# Allegro board 038RT-9068CJK8E-A100_0921.brd (continued)
## Routing (per net, layer and track width the routed paths; a pad name or vN(x,y) marks a point on that pad's centre or on a via; arc(x,y) is an arc through that point) (continued)
v1(657.04,230.18) v1(657.04,227.48) v1(657.04,225.68) v1(660.89,279.15) v1(660.89,277.11) v1(660.89,228.35) v1(660.89,226.31) v1(662.16,279.15) v1(662.16,277.11) v1(662.16,228.35) v1(662.16,226.31) v1(665.59,283.48) v1(665.59,276) v1(665.59,232.68) v1(665.59,225.2) v2(4.94,2.54) v2(4.98,400.25) v2(4.98,397.71) v2(7.52,400.25) v2(7.52,397.71) v2(10.02,7.62) v2(10.02,2.54) v2(10.06,400.25) v2(10.06,397.71) v2(13.1,377.9) v2(15.14,390.21) v2(15.14,388.94) v2(15.1,368.3) v2(15.1,7.62) v2(15.1,2.54) v2(16.45,9.1) v2(16.45,8.1) v2(17.32,326.33) v2(17.32,324.83) v2(17.32,91) v2(17.32,89.5) v2(17.72,9.1) v2(17.72,8.1) v2(18.46,347.69) v2(18.46,346.2) v2(18.46,328.64) v2(18.46,327.15) v2(18.46,112.36) v2(18.46,110.87) v2(18.46,93.31) v2(18.46,91.82) v2(18.95,399.07) v2(19.43,417.04) v2(19.43,414.5) v2(19.43,411.96) v2(19.43,409.42) v2(19.43,406.88) v2(19.43,404.34) v2(19.43,401.8) v2(19.54,200.21) v2(19.54,199.21) v2(19.54,167.82) v2(19.54,166.82) v2(19.54,73.84) v2(19.54,72.84) v2(19.54,41.46) v2(19.54,40.46) v2(19.61,354.88) v2(19.61,351.88) v2(19.61,348.88) v2(19.61,332.83) v2(19.61,329.83) v2(19.61,324.83) v2(19.61,119.55) v2(19.61,116.55) v2(19.61,113.55) v2(19.61,97.5) v2(19.61,94.5) v2(19.61,89.5) v2(20.18,368.3) v2(20.18,134.62) v2(20.18,129.54) v2(20.49,362.01) v2(20.49,318.2) v2(20.49,126.68) v2(20.49,82.87) v2(20.81,200.21) v2(20.81,199.21) v2(20.81,171.95) v2(20.81,170.95) v2(20.81,167.82) v2(20.81,166.82) v2(20.81,139.57) v2(20.81,138.56) v2(20.81,73.84) v2(20.81,72.84) v2(20.81,45.59) v2(20.81,44.58) v2(20.81,41.46) v2(20.81,40.46) v2(21.04,396.5) v2(20.97,19.19) v2(20.97,14.11) v2(20.97,11.57) v2(20.97,9.03) v2(20.97,6.49) v2(20.97,3.95) v2(21.76,362.01) v2(21.76,318.2) v2(21.76,126.68) v2(21.76,82.87) v2(21.97,417.04) v2(21.97,414.5) v2(21.97,411.96) v2(21.97,409.42) v2(21.97,406.88) v2(21.97,404.34) v2(21.97,401.8) v2(22.08,200.21) v2(22.08,199.21) v2(22.08,171.95) v2(22.08,170.95) v2(22.08,167.82) v2(22.08,166.82) v2(22.08,139.57) v2(22.08,138.56) v2(22.08,73.84) v2(22.08,72.84) v2(22.08,45.59) v2(22.08,44.58) v2(22.08,41.46) v2(22.08,40.46) v2(22.56,355.38) v2(22.56,352.38) v2(22.56,347.38) v2(22.56,333.33) v2(22.56,328.33) v2(22.56,325.33) v2(22.56,120.05) v2(22.56,117.05) v2(22.56,112.05) v2(22.56,98) v2(22.56,93) v2(22.56,90) v2(22.67,447.54) v2(22.67,446.4) v2(22.67,441.7) v2(22.67,440.56) v2(23.37,444.94) v2(23.37,443.16) v2(23.51,19.19) v2(23.51,16.65) v2(23.51,14.11) v2(23.51,11.57) v2(23.51,9.03) v2(23.51,6.49) v2(23.51,3.95) v2(23.72,394.72) v2(23.72,393.45) v2(23.71,350.06) v2(23.71,348.57) v2(23.71,331.01) v2(23.71,329.52) v2(23.71,114.73) v2(23.71,113.24) v2(23.71,95.68) v2(23.71,94.19) v2(23.87,389.36) v2(24.51,417.04) v2(24.51,414.5) v2(24.51,411.96) v2(24.51,409.42) v2(24.51,406.88) v2(24.51,404.34) v2(24.51,401.8) v2(24.82,434.32) v2(24.82,431.78) v2(25.32,460.04) v2(25.32,457.5) v2(25.26,368.3) v2(25.26,363.22) v2(25.26,312.42) v2(25.26,307.34) v2(25.26,302.26) v2(25.26,297.18) v2(25.26,271.78) v2(25.26,266.7) v2(25.26,261.62) v2(25.26,256.54) v2(25.26,251.46) v2(25.26,246.38) v2(25.26,241.3) v2(25.26,220.98) v2(25.26,215.9) v2(25.26,210.82) v2(25.26,205.74) v2(25.26,200.66) v2(25.26,195.58) v2(25.26,190.5) v2(25.26,185.42) v2(25.26,180.34) v2(25.26,129.54) v2(25.26,83.82) v2(25.26,58.42) v2(25.26,53.34) v2(25.26,48.26) v2(25.26,43.18) v2(25.26,38.1) v2(25.26,33.02) v2(25.26,27.94) v2(25.89,71.44) v2(25.89,70.17) v2(26.05,19.19) v2(26.05,16.65) v2(26.05,14.11) v2(26.05,11.57) v2(26.05,9.03) v2(26.05,6.49) v2(26.05,3.95) v2(27.16,62.36) v2(27.32,352.38) v2(27.32,347.88) v2(27.32,333.33) v2(27.32,328.83) v2(27.32,117.05) v2(27.32,112.55) v2(27.32,98) v2(27.32,93.5) v2(27.36,434.32) v2(27.36,431.78) v2(27.86,460.04) v2(27.86,457.5) v2(29.9,434.32) v2(29.9,431.78) v2(30.34,368.3) v2(30.34,363.22) v2(30.27,325.83) v2(30.34,312.42) v2(30.34,307.34) v2(30.34,302.26) v2(30.34,297.18) v2(30.34,271.78) v2(30.34,266.7) v2(30.34,261.62) v2(30.34,256.54) v2(30.34,251.46) v2(30.34,246.38) v2(30.34,241.3) v2(30.34,220.98) v2(30.34,215.9) v2(30.34,210.82) v2(30.34,205.74) v2(30.34,200.66) v2(30.34,195.58) v2(30.34,190.5) v2(30.34,185.42) v2(30.34,180.34) v2(30.34,154.94) v2(30.34,129.54) v2(30.34,124.46) v2(30.27,90.5) v2(30.34,83.82) v2(30.34,68.58) v2(30.34,63.5) v2(30.34,58.42) v2(30.34,53.34) v2(30.34,27.94) v2(30.4,460.04) v2(30.4,457.5) v2(30.38,396.95) v2(30.38,394.41) v2(30.53,385.99) v2(31.61,142.24) v2(31.61,140.97) v2(32.44,434.32) v2(32.44,431.78) v2(32.56,349.38) v2(32.56,347.88) v2(32.56,330.33) v2(32.56,328.83) v2(32.56,114.05) v2(32.56,112.55) v2(32.56,95) v2(32.56,93.5) v2(32.94,460.04) v2(32.94,457.5) v2(32.92,396.95) v2(32.92,394.41) v2(33.04,173.03) v2(33.04,170.03) v2(33.04,165.53) v2(33.04,46.66) v2(33.04,43.66) v2(33.04,39.16) v2(33.07,478.48) v2(33.07,475.94) v2(33.07,473.4) v2(33.07,470.86) v2(33.07,468.32) v2(34.15,143.64) v2(34.98,434.32) v2(34.98,431.78) v2(35.28,462.11) v2(35.42,368.3) v2(35.42,363.22) v2(35.42,312.42) v2(35.42,307.34) v2(35.42,302.26) v2(35.42,297.18) v2(35.42,271.78) v2(35.42,266.7) v2(35.42,261.62) v2(35.42,256.54) v2(35.42,251.46) v2(35.42,246.38) v2(35.42,220.98) v2(35.42,215.9) v2(35.42,210.82) v2(35.42,205.74) v2(35.42,200.66) v2(35.42,195.58) v2(35.42,190.5) v2(35.42,185.42) v2(35.42,180.34) v2(35.42,154.94) v2(35.42,139.7) v2(35.42,134.62) v2(35.42,129.54) v2(35.42,124.46) v2(35.42,119.38) v2(35.42,114.3) v2(35.42,109.22) v2(35.42,104.14) v2(35.42,99.06) v2(35.42,93.98) v2(35.42,88.9) v2(35.42,83.82) v2(35.42,78.74) v2(35.42,73.66) v2(35.42,68.58) v2(35.42,63.5) v2(35.42,58.42) v2(35.42,53.34) v2(35.42,27.94) v2(35.48,460.04) v2(35.48,457.5) v2(35.46,396.95) v2(35.46,394.41) v2(35.61,478.48) v2(35.61,475.94) v2(35.61,473.4) v2(35.61,470.86) v2(35.61,468.32) v2(37.37,420.78) v2(37.79,173.53) v2(37.79,170.53) v2(37.79,47.16) v2(37.79,44.16) v2(38.39,477.14) v2(38.39,474.6) v2(38.39,450.02) v2(38.39,447.48) v2(38.51,420.78) v2(40.5,368.3) v2(40.5,363.22) v2(40.5,312.42) v2(40.5,307.34) v2(40.5,302.26) v2(40.5,297.18) v2(40.5,271.78) v2(40.5,266.7) v2(40.5,261.62) v2(40.5,256.54) v2(40.5,251.46) v2(40.5,246.38) v2(40.5,220.98) v2(40.5,215.9) v2(40.5,210.82) v2(40.5,205.74) v2(40.5,200.66) v2(40.5,195.58) v2(40.5,190.5) v2(40.5,185.42) v2(40.5,180.34) v2(40.5,154.94) v2(40.5,149.86) v2(40.5,144.78) v2(40.5,139.7) v2(40.5,134.62) v2(40.5,119.38) v2(40.5,114.3) v2(40.5,109.22) v2(40.5,104.14) v2(40.5,99.06) v2(40.5,93.98) v2(40.5,88.9) v2(40.5,83.82) v2(40.5,78.74) v2(40.5,73.66) v2(40.5,68.58) v2(40.5,63.5) v2(40.5,58.42) v2(40.5,53.34) v2(40.5,27.94) v2(40.68,171.08) v2(40.68,44.71) v2(40.75,165.53) v2(40.75,39.16) v2(40.93,477.14) v2(40.93,474.6) v2(40.93,450.02) v2(40.93,447.48) v2(40.85,422.29) v2(42.68,422.29) v2(43.47,477.14) v2(43.47,474.6) v2(43.47,450.02) v2(43.47,447.48) v2(44.92,420.8) v2(45.32,444.63) v2(45.32,442.09) v2(45.32,439.55) v2(45.32,437.01) v2(45.32,434.47) v2(45.58,368.3) v2(45.58,363.22) v2(45.58,302.26) v2(45.58,297.18) v2(45.58,271.78) v2(45.58,266.7) v2(45.58,261.62) v2(45.58,256.54) v2(45.58,251.46) v2(45.58,246.38) v2(45.58,220.98) v2(45.58,215.9) v2(45.58,210.82) v2(45.58,205.74) v2(45.58,200.66) v2(45.58,195.58) v2(45.58,190.5) v2(45.58,185.42) v2(45.58,180.34) v2(45.58,175.26) v2(45.58,104.14) v2(45.58,99.06) v2(45.58,93.98) v2(45.58,88.9) v2(45.58,83.82) v2(45.58,78.74) v2(45.58,73.66) v2(45.58,68.58) v2(45.58,63.5) v2(45.58,58.42) v2(45.58,53.34) v2(45.58,48.26) v2(45.58,43.18) v2(45.58,38.1) v2(45.58,33.02) v2(45.58,27.94) v2(45.58,22.86) v2(46.01,477.14) v2(46.01,474.6) v2(46.01,450.02) v2(46.01,447.48) v2(46.07,420.8) v2(46.8,463.68) v2(46.85,306.07) v2(47.37,275.96) v2(47.37,274.56) v2(47.37,271.32) v2(47.37,269.92) v2(47.37,215.96) v2(47.37,214.56) v2(47.37,211.32) v2(47.37,209.92) v2(47.95,463.68) v2(47.86,444.63) v2(47.86,442.09) v2(47.86,439.55) v2(47.86,437.01) v2(47.86,434.47) v2(48.55,477.14) v2(48.55,474.6) v2(48.55,450.02) v2(48.55,447.48) v2(49.28,462.97) v2(49.39,306.07) v2(49.55,352.42) v2(49.55,332.88) v2(49.51,129.86) v2(49.51,110.32) v2(50.4,444.63) v2(50.4,442.09) v2(50.4,439.55) v2(50.4,437.01) v2(50.4,434.47) v2(50.66,464.82) v2(50.66,459.74) v2(50.66,454.66) v2(50.66,449.58) v2(50.66,302.26) v2(50.66,297.18) v2(50.66,266.7) v2(50.66,261.62) v2(50.66,256.54) v2(50.66,220.98) v2(50.66,205.74) v2(50.66,200.66) v2(50.66,83.82) v2(50.66,78.74) v2(50.66,73.66) v2(50.66,68.58) v2(50.66,63.5) v2(50.66,58.42) v2(50.66,53.34) v2(50.66,48.26) v2(50.66,43.18) v2(50.66,38.1) v2(50.66,33.02) v2(50.66,27.94) v2(50.66,22.86) v2(50.89,404.14) v2(50.89,402.87) v2(53.2,306.07) v2(55.74,464.82) v2(55.74,459.74) v2(55.74,454.66) v2(55.74,449.58) v2(55.74,444.5) v2(55.74,439.42) v2(55.74,434.34) v2(55.74,419.1) v2(55.74,306.07) v2(55.74,302.26) v2(55.74,297.18) v2(55.74,83.82) v2(55.74,78.74) v2(55.74,73.66) v2(55.74,68.58) v2(55.74,63.5) v2(55.74,58.42) v2(55.74,53.34) v2(55.74,48.26) v2(55.74,43.18) v2(55.74,38.1) v2(55.74,33.02) v2(55.74,27.94) v2(55.74,22.86) v2(56.5,432.96) v2(56.5,430.42) v2(56.5,427.88) v2(56.5,425.34) v2(56.5,422.8) v2(59.04,432.96) v2(59.04,430.42) v2(59.04,427.88) v2(59.04,425.34) v2(59.04,422.8) v2(59.55,306.07) v2(60.82,464.82) v2(60.82,459.74) v2(60.82,454.66) v2(60.82,449.58) v2(60.82,444.5) v2(60.82,439.42) v2(60.82,434.34) v2(60.82,429.26) v2(60.82,424.18) v2(60.82,419.1) v2(60.82,414.02) v2(60.82,408.94) v2(60.82,403.86) v2(60.82,398.78) v2(60.82,393.7) v2(60.82,302.26) v2(60.82,297.18) v2(60.82,83.82) v2(60.82,78.74) v2(60.82,73.66) v2(60.82,68.58) v2(60.82,63.5) v2(60.82,58.42) v2(60.82,53.34) v2(60.82,48.26) v2(60.82,43.18) v2(60.82,38.1) v2(60.82,33.02) v2(60.82,27.94) v2(60.82,22.86) v2(62.09,306.07) v2(62.09,262.56) v2(62.09,202.56) v2(63.36,262.56) v2(63.36,202.56) v2(64.63,262.56) v2(64.63,202.56) v2(65.9,464.82) v2(65.9,459.74) v2(65.9,454.66) v2(65.9,449.58) v2(65.9,444.5) v2(65.9,439.42) v2(65.9,434.34) v2(65.9,429.26) v2(65.9,424.18) v2(65.9,419.1) v2(65.9,414.02) v2(65.9,408.94) v2(65.9,403.86) v2(65.9,398.78) v2(65.9,393.7) v2(65.9,306.07) v2(65.9,302.26) v2(65.9,297.18) v2(65.9,180.34) v2(65.9,175.26) v2(65.9,170.18) v2(65.9,166.37) v2(65.9,162.56) v2(65.9,160.02) v2(65.9,104.14) v2(65.9,99.06) v2(65.9,93.98) v2(65.9,88.9) v2(65.9,83.82) v2(65.9,78.74) v2(65.9,73.66) v2(65.9,68.58) v2(65.9,63.5) v2(65.9,58.42) v2(65.9,53.34) v2(65.9,48.26) v2(65.9,43.18) v2(65.9,38.1) v2(65.9,33.02) v2(65.9,27.94) v2(65.9,22.86) v2(66.53,156.21) v2(66.53,154.94) v2(66.53,151.13) v2(66.53,149.86) v2(67.17,262.56) v2(67.17,202.56) v2(67.17,162.56) v2(67.17,160.02) v2(67.8,156.21) v2(67.8,154.94) v2(67.8,151.13) v2(67.8,149.86) v2(68.44,306.07) v2(68.44,166.37) v2(68.44,162.56) v2(68.44,160.02) v2(70.98,464.82) v2(70.98,459.74) v2(70.98,454.66) v2(70.98,449.58) v2(70.98,444.5) v2(70.98,439.42) v2(70.98,434.34) v2(70.98,429.26) v2(70.98,424.18) v2(70.98,419.1) v2(70.98,414.02) v2(70.98,408.94) v2(70.98,403.86) v2(70.98,388.62) v2(70.98,383.54) v2(70.98,378.46) v2(70.98,373.38) v2(70.98,368.3) v2(70.98,363.22) v2(70.98,302.26) v2(70.98,175.26) v2(70.98,170.18) v2(70.98,104.14) v2(70.98,99.06) v2(70.98,93.98) v2(70.98,88.9) v2(70.98,83.82) v2(70.98,78.74) v2(70.98,73.66) v2(70.98,68.58) v2(70.98,63.5) v2(70.98,58.42) v2(70.98,53.34) v2(70.98,48.26) v2(70.98,43.18) v2(70.98,38.1) v2(70.98,33.02) v2(70.98,27.94) v2(70.98,22.86) v2(71.61,296.28) v2(71.61,239.45) v2(71.61,236.28) v2(71.61,179.45) v2(71.87,294.45) v2(72.25,333.38) v2(72.25,312.42) v2(72.25,166.37) v2(72.25,160.02) v2(72.25,142.88) v2(72.25,137.16) v2(72.88,343.53) v2(72.88,342.26) v2(72.88,322.58) v2(72.88,321.31) v2(72.88,151.13) v2(72.88,149.86) v2(72.88,128.27) v2(72.88,127) v2(73.52,333.38) v2(73.52,312.42) v2(73.52,160.02) v2(73.52,137.16) v2(74.15,343.53) v2(74.15,342.26) v2(74.15,322.58) v2(74.15,321.31) v2(74.15,296.28) v2(74.15,151.13) v2(74.15,149.86) v2(74.15,128.27) v2(74.15,127) v2(74.79,333.38) v2(74.79,312.42) v2(74.79,306.07) v2(74.79,160.02) v2(74.79,137.16) v2(75.42,327.02) v2(76.06,464.82) v2(76.06,459.74) v2(76.06,454.66) v2(76.06,449.58) v2(76.06,444.5) v2(76.06,439.42) v2(76.06,434.34) v2(76.06,429.26) v2(76.06,424.18) v2(76.06,419.1) v2(76.06,414.02) v2(76.06,408.94) v2(76.06,403.86) v2(76.06,398.78) v2(76.06,393.7) v2(76.06,388.62) v2(76.06,383.54) v2(76.06,378.46) v2(76.06,373.38) v2(76.06,368.3) v2(76.06,363.22) v2(76.06,302.26) v2(76.06,175.26) v2(76.06,170.18) v2(76.06,104.14) v2(76.06,99.06) v2(76.06,93.98) v2(76.06,88.9) v2(76.06,83.82) v2(76.06,78.74) v2(76.06,73.66) v2(76.06,68.58) v2(76.06,63.5) v2(76.06,58.42) v2(76.06,53.34) v2(76.06,48.26) v2(76.06,43.18) v2(76.06,38.1) v2(76.06,33.02) v2(76.06,27.94) v2(76.06,22.86) v2(78.6,333.38) v2(78.6,312.42) v2(78.6,166.37) v2(78.6,160.02) v2(78.6,142.88) v2(78.6,137.16) v2(79.23,343.53) v2(79.23,342.26) v2(79.23,322.58) v2(79.23,321.31) v2(79.23,151.13) v2(79.23,149.86) v2(79.23,128.27) v2(79.23,127) v2(79.87,333.38) v2(79.87,312.42) v2(79.87,160.02) v2(79.87,137.16) v2(80.5,343.53) v2(80.5,342.26) v2(80.5,322.58) v2(80.5,321.31) v2(80.5,151.13) v2(80.5,149.86) v2(80.5,128.27) v2(80.5,127) v2(81.14,464.82) v2(81.14,459.74) v2(81.14,454.66) v2(81.14,449.58) v2(81.14,444.5) v2(81.14,439.42) v2(81.14,434.34) v2(81.14,429.26) v2(81.14,424.18) v2(81.14,419.1) v2(81.14,414.02) v2(81.14,408.94) v2(81.14,403.86) v2(81.14,398.78) v2(81.14,393.7) v2(81.14,388.62) v2(81.14,383.54) v2(81.14,378.46) v2(81.14,373.38) v2(81.14,368.3) v2(81.14,363.22) v2(81.14,333.38) v2(81.14,327.02) v2(81.14,312.42) v2(81.14,306.07) v2(81.14,302.26) v2(81.14,175.26) v2(81.14,170.18) v2(81.14,160.02) v2(81.14,137.16) v2(81.14,104.14) v2(81.14,99.06) v2(81.14,93.98) v2(81.14,88.9) v2(81.14,83.82) v2(81.14,78.74) v2(81.14,73.66) v2(81.14,68.58) v2(81.14,63.5) v2(81.14,58.42) v2(81.14,53.34) v2(81.14,48.26) v2(81.14,43.18) v2(81.14,38.1) v2(81.14,33.02) v2(81.14,27.94) v2(81.14,22.86) v2(84.95,333.38) v2(84.95,312.42) v2(84.95,306.07) v2(84.95,160.02) v2(84.95,142.88) v2(84.95,137.16) v2(85.58,343.53) v2(85.58,342.26) v2(85.58,322.58) v2(85.58,321.31) v2(85.58,151.13) v2(85.58,149.86) v2(85.58,128.27) v2(85.58,127) v2(86.22,464.82) v2(86.22,459.74) v2(86.22,454.66) v2(86.22,449.58) v2(86.22,444.5) v2(86.22,439.42) v2(86.22,434.34) v2(86.22,429.26) v2(86.22,424.18) v2(86.22,419.1) v2(86.22,403.86) v2(86.22,398.78) v2(86.22,393.7) v2(86.22,388.62) v2(86.22,383.54) v2(86.22,378.46) v2(86.22,373.38) v2(86.22,368.3) v2(86.22,363.22) v2(86.22,333.38) v2(86.22,312.42) v2(86.22,302.26) v2(86.22,175.26) v2(86.22,170.18) v2(86.22,160.02) v2(86.22,137.16) v2(86.22,104.14) v2(86.22,99.06) v2(86.22,93.98) v2(86.22,88.9) v2(86.22,83.82) v2(86.22,78.74) v2(86.22,73.66) v2(86.22,68.58) v2(86.22,63.5) v2(86.22,58.42) v2(86.22,53.34) v2(86.22,48.26) v2(86.42,238.11) v2(86.42,178.11) v2(86.85,343.53) v2(86.85,342.26) v2(86.85,322.58) v2(86.85,321.31) v2(86.85,151.13) v2(86.85,149.86) v2(86.85,128.27) v2(86.85,127) v2(87.49,333.38) v2(87.49,327.02) v2(87.49,312.42) v2(87.49,166.37) v2(87.49,160.02) v2(87.49,137.16) v2(89.17,44.7) v2(91.3,464.82) v2(91.3,459.74) v2(91.3,454.66) v2(91.3,449.58) v2(91.3,444.5) v2(91.3,439.42) v2(91.3,434.34) v2(91.3,429.26) v2(91.3,424.18) v2(91.3,419.1) v2(91.3,414.02) v2(91.3,408.94) v2(91.3,403.86) v2(91.3,398.78) v2(91.3,393.7) v2(91.3,388.62) v2(91.3,383.54) v2(91.3,378.46) v2(91.3,373.38) v2(91.3,368.3) v2(91.3,363.22) v2(91.3,333.38) v2(91.3,312.42) v2(91.3,306.07) v2(91.3,302.26) v2(91.3,175.26) v2(91.3,170.18) v2(91.3,160.02) v2(91.3,142.88) v2(91.3,137.16) v2(91.3,104.14) v2(91.3,99.06) v2(91.3,93.98) v2(91.3,88.9) v2(91.3,83.82) v2(91.3,78.74) v2(91.3,73.66) v2(91.3,68.58) v2(91.3,63.5) v2(91.3,58.42) v2(91.3,53.34) v2(91.3,48.26) v2(91.93,343.53) v2(91.93,342.26) v2(91.93,322.58) v2(91.93,321.31) v2(91.93,151.13) v2(91.93,149.86) v2(91.93,128.27) v2(91.93,127) v2(92.57,333.38) v2(92.57,312.42) v2(92.57,160.02) v2(92.57,137.16) v2(93.2,343.53) v2(93.2,342.26) v2(93.2,322.58) v2(93.2,321.31) v2(93.2,151.13) v2(93.2,149.86) v2(93.2,128.27) v2(93.2,127) v2(93.84,333.38) v2(93.84,327.02) v2(93.84,312.42) v2(93.84,166.37) v2(93.84,160.02) v2(93.84,137.16) v2(94.47,239.52) v2(96.38,464.82) v2(96.38,459.74) v2(96.38,454.66) v2(96.38,449.58) v2(96.38,444.5) v2(96.38,439.42) v2(96.38,434.34) v2(96.38,429.26) v2(96.38,424.18) v2(96.38,419.1) v2(96.38,414.02) v2(96.38,408.94) v2(96.38,403.86) v2(96.38,398.78) v2(96.38,393.7) v2(96.38,388.62) v2(96.38,383.54) v2(96.38,378.46) v2(96.38,373.38) v2(96.38,368.3) v2(96.38,363.22) v2(96.38,302.26) v2(96.38,175.26) v2(96.38,170.18) v2(96.38,104.14) v2(96.38,99.06) v2(96.38,93.98) v2(96.38,88.9) v2(96.38,83.82) v2(96.38,78.74) v2(96.38,73.66) v2(96.38,68.58) v2(96.38,63.5) v2(96.38,58.42) v2(96.38,53.34) v2(96.38,48.26) v2(97.01,239.52) v2(97.01,237.11) v2(97.65,312.42) v2(97.65,160.02) v2(98.28,322.58) v2(98.28,321.31) v2(98.28,240.52) v2(98.28,151.13) v2(98.28,149.86) v2(98.92,312.42) v2(98.92,160.02) v2(99.33,44.7) v2(99.55,322.58) v2(99.55,321.31) v2(99.55,240.52) v2(99.55,151.13) v2(99.55,149.86) v2(100.19,312.42) v2(100.19,160.02) v2(100.82,240.52) v2(101.46,414.02) v2(101.46,408.94) v2(101.46,403.86) v2(101.46,398.78) v2(101.46,393.7) v2(101.46,388.62) v2(101.46,383.54) v2(101.46,378.46) v2(101.46,373.38) v2(101.46,368.3) v2(101.46,363.22) v2(101.46,302.26) v2(101.46,175.26) v2(101.46,170.18) v2(101.46,104.14) v2(101.46,99.06) v2(101.46,93.98) v2(101.46,88.9) v2(101.46,83.82) v2(101.46,78.74) v2(101.46,73.66) v2(101.46,68.58) v2(101.46,63.5) v2(101.46,58.42) v2(101.46,53.34) v2(101.46,48.26) v2(101.46,43.18) v2(102.09,240.52) v2(103.09,295.26) v2(103.09,235.26) v2(103.36,240.52) v2(104,312.42) v2(104,306.07) v2(104,160.02) v2(104.63,322.58) v2(104.63,321.31) v2(104.63,240.52) v2(104.63,151.13) v2(104.63,149.86) v2(105.27,312.42) v2(105.27,160.02) v2(105.9,322.58) v2(105.9,321.31) v2(105.9,151.13) v2(105.9,149.86) v2(106.08,429.12) v2(106.54,414.02) v2(106.54,408.94) v2(106.54,403.86) v2(106.54,398.78) v2(106.54,393.7) v2(106.54,388.62) v2(106.54,383.54) v2(106.54,378.46) v2(106.54,373.38) v2(106.54,368.3) v2(106.54,363.22) v2(106.54,312.42) v2(106.54,302.26) v2(106.54,175.26) v2(106.54,170.18) v2(106.54,166.37) v2(106.54,160.02) v2(106.54,144.78) v2(106.54,124.46) v2(107.98,442.02) v2(108.44,240.52) v2(109.71,240.52) v2(109.71,178.11) v2(110.35,312.42) v2(110.35,160.02) v2(110.98,322.58) v2(110.98,321.31) v2(110.98,151.13) v2(110.98,149.86) v2(111.62,414.02) v2(111.62,408.94) v2(111.62,403.86) v2(111.62,398.78) v2(111.62,393.7) v2(111.62,388.62) v2(111.62,383.54) v2(111.62,378.46) v2(111.62,373.38) v2(111.62,368.3) v2(111.62,363.22) v2(111.62,312.42) v2(111.62,302.26) v2(111.62,175.26) v2(111.62,170.18) v2(111.62,160.02) v2(111.62,144.78) v2(111.62,124.46) v2(112.25,322.58) v2(112.25,321.31) v2(112.25,151.13) v2(112.25,149.86) v2(112.89,312.42) v2(112.89,160.02) v2(113.3,40.68) v2(113.52,240.52) v2(113.52,237.11) v2(114.79,240.52) v2(116.06,240.52) v2(116.24,429.12) v2(116.24,37.11) v2(116.24,32.03) v2(116.7,414.02) v2(116.7,408.94) v2(116.7,403.86) v2(116.7,398.78) v2(116.7,393.7) v2(116.7,388.62) v2(116.7,383.54) v2(116.7,378.46) v2(116.7,373.38) v2(116.7,368.3) v2(116.7,363.22) v2(116.7,312.42) v2(116.7,302.26) v2(116.7,175.26) v2(116.7,170.18) v2(116.7,160.02) v2(116.7,144.78) v2(116.7,124.46) v2(116.9,243.72) v2(116.9,183.72) v2(117.33,322.58) v2(117.33,321.31) v2(117.33,240.52) v2(117.33,151.13) v2(117.33,149.86) v2(117.97,312.42) v2(117.97,160.02) v2(118.6,322.58) v2(118.6,321.31) v2(118.6,240.52) v2(118.6,151.13) v2(118.6,149.86) v2(119.24,312.42) v2(119.24,160.02) v2(119.32,436.63) v2(119.32,435.36) v2(119.32,434.09) v2(119.32,427.1) v2(119.32,425.83) v2(119.32,424.56) v2(119.87,240.52) v2(119.91,33.62) v2(121.14,279.07) v2(121.14,240.52) v2(121.14,219.07) v2(121.78,302.26) v2(121.78,175.26) v2(121.78,170.18) v2(121.78,144.78) v2(121.78,124.46) v2(122.13,32.99) v2(122.52,45.61) v2(122.52,43.58) v2(122.52,41.55) v2(123.13,430.28) v2(123.05,322.58) v2(123.05,312.42) v2(123.05,306.07) v2(123.05,295.26) v2(123.05,269.55) v2(123.05,266.37) v2(123.05,235.26) v2(123.05,209.55) v2(123.05,206.38) v2(123.05,160.02) v2(123.05,156.21) v2(123.05,149.86) v2(123.79,45.61) v2(123.79,43.58) v2(123.79,41.55) v2(124.32,322.58) v2(124.32,312.42) v2(124.32,160.02) v2(124.32,149.86) v2(124.95,237.11) v2(125.06,45.61) v2(125.06,43.58) v2(125.06,41.55) v2(125.59,322.58) v2(125.59,316.23) v2(125.59,312.42) v2(125.59,295.26) v2(125.59,166.37) v2(125.59,160.02) v2(125.59,149.86) v2(126.86,302.26) v2(126.86,175.26) v2(126.86,170.18) v2(126.86,144.78) v2(126.86,124.46) v2(127.21,38.06) v2(129.45,440.72) v2(129.4,322.58) v2(129.4,312.42) v2(129.4,160.02) v2(129.4,149.86) v2(129.75,38.06) v2(130.03,239.52) v2(130.67,322.58) v2(130.67,312.42) v2(130.67,160.02) v2(130.67,149.86) v2(130.89,186.77) v2(131.3,239.52) v2(131.48,440.72) v2(131.94,322.58) v2(131.94,312.42) v2(131.94,302.26) v2(131.94,175.26) v2(131.94,170.18) v2(131.94,160.02) v2(131.94,149.86) v2(131.94,144.78) v2(131.94,124.46) v2(133.43,186.77) v2(133.43,184.37) v2(133.51,440.72) v2(134.7,187.77) v2(135.97,187.77) v2(136.26,43.55) v2(136.96,442.75) v2(137.02,256.54) v2(137.02,251.46) v2(137.02,246.38) v2(137.02,195.58) v2(137.02,190.5) v2(137.02,180.34) v2(137.02,175.26) v2(137.02,170.18) v2(137.02,165.1) v2(137.02,160.02) v2(137.02,154.94) v2(137.02,149.86) v2(137.02,144.78) v2(137.02,124.46) v2(137.24,187.77) v2(137.16,45.77) v2(137.18,35.25) v2(137.86,444.97) v2(138.51,187.77) v2(139.21,35.25) v2(139.78,187.77) v2(141.05,187.77) v2(141.24,35.25) v2(142.1,256.54) v2(142.1,251.46) v2(142.1,246.38) v2(142.1,195.58) v2(142.1,190.5) v2(142.1,180.34) v2(142.1,175.26) v2(142.1,170.18) v2(142.1,165.1) v2(142.1,160.02) v2(142.1,154.94) v2(142.1,149.86) v2(142.1,144.78) v2(142.1,139.7) v2(142.1,134.62) v2(142.1,129.54) v2(142.1,124.46) v2(144.36,450.46) v2(144.86,187.77) v2(146.13,187.77) v2(146.9,450.46) v2(147.18,276.86) v2(147.18,271.78) v2(147.18,266.7) v2(147.18,261.62) v2(147.18,256.54) v2(147.18,251.46) v2(147.18,246.38) v2(147.18,226.06) v2(147.18,220.98) v2(147.18,215.9) v2(147.18,210.82) v2(147.18,205.74) v2(147.18,200.66) v2(147.18,195.58) v2(147.18,190.5) v2(147.18,180.34) v2(147.18,175.26) v2(147.18,170.18) v2(147.18,165.1) v2(147.18,160.02) v2(147.18,154.94) v2(147.18,149.86) v2(147.18,144.78) v2(147.18,139.7) v2(147.18,134.62) v2(147.18,129.54) v2(147.18,124.46) v2(149.06,446.98) v2(149.06,444.95) v2(149.06,442.91) v2(149.94,187.77) v2(149.94,184.37) v2(150.33,446.98) v2(150.33,444.95) v2(150.33,442.91) v2(151.21,187.77) v2(151.6,446.98) v2(151.6,444.95) v2(151.6,442.91) v2(151.98,455.54) v2(152.26,266.7) v2(152.26,261.62) v2(152.26,256.54) v2(152.26,251.46) v2(152.26,246.38) v2(152.26,215.9) v2(152.26,210.82) v2(152.26,205.74) v2(152.26,200.66) v2(152.26,195.58) v2(152.26,190.5) v2(152.26,180.34) v2(152.26,175.26) v2(152.26,170.18) v2(152.26,165.1) v2(152.26,160.02) v2(152.26,154.94) v2(152.26,149.86) v2(152.26,144.78) v2(152.26,139.7) v2(152.26,134.62) v2(152.26,129.54) v2(152.26,124.46) v2(152.48,187.77) v2(153.75,187.77) v2(154.2,454.9) v2(155.02,187.77) v2(156.29,187.77) v2(157.34,266.7) v2(157.34,261.62) v2(157.34,256.54) v2(157.34,251.46) v2(157.34,246.38) v2(157.34,215.9) v2(157.34,210.82) v2(157.34,205.74) v2(157.34,200.66) v2(157.34,195.58) v2(157.34,190.5) v2(157.34,180.34) v2(157.34,175.26) v2(157.34,170.18) v2(157.34,139.7) v2(157.34,134.62) v2(157.34,129.54) v2(157.34,124.46) v2(157.56,187.77) v2(157.88,456.49) v2(157.88,451.41) v2(158.18,29.76) v2(161.37,187.77) v2(161.99,35.47) v2(161.99,34.2) v2(161.99,32.93) v2(161.99,25.95) v2(161.99,24.68) v2(161.99,23.41) v2(162.42,266.7) v2(162.42,261.62) v2(162.42,256.54) v2(162.42,251.46) v2(162.42,246.38) v2(162.42,215.9) v2(162.42,210.82) v2(162.42,205.74) v2(162.42,200.66) v2(162.42,195.58) v2(162.42,190.5) v2(162.42,180.34) v2(162.42,175.26) v2(162.42,170.18) v2(162.42,139.7) v2(162.42,134.62) v2(162.42,129.54) v2(162.42,124.46) v2(164.24,447.98) v2(164.24,439.09) v2(164.24,437.82) v2(164.24,429.56) v2(164.24,420.67) v2(164.24,419.4) v2(165.51,447.98) v2(165.51,439.09) v2(165.51,437.82) v2(165.51,429.56) v2(165.51,420.67) v2(165.51,419.4) v2(165.51,59.06) v2(165.51,57.78) v2(165.51,48.9) v2(165.51,43.18) v2(165.51,40) v2(165.51,38.73) v2(165.51,29.84) v2(165.51,24.13) v2(166.45,186.77) v2(166.78,447.98) v2(166.78,439.09) v2(166.78,437.82) v2(166.78,435.28) v2(166.78,429.56) v2(166.78,420.67) v2(166.78,419.4) v2(166.78,59.06) v2(166.78,57.78) v2(166.78,48.9) v2(166.78,40) v2(166.78,38.73) v2(166.78,29.84) v2(167.5,256.54) v2(167.5,251.46) v2(167.5,246.38) v2(167.5,241.3) v2(167.5,236.22) v2(167.5,210.82) v2(167.5,205.74) v2(167.5,200.66) v2(167.5,195.58) v2(167.5,190.5) v2(167.5,180.34) v2(167.5,175.26) v2(167.5,170.18) v2(167.5,139.7) v2(167.5,134.62) v2(167.5,129.54) v2(167.5,124.46) v2(167.72,186.77) v2(168.05,59.06) v2(168.05,57.78) v2(168.05,48.9) v2(168.05,40) v2(168.05,38.73) v2(168.05,29.84) v2(169.95,447.98) v2(169.95,439.09) v2(169.95,437.82) v2(169.95,429.56) v2(169.95,420.67) v2(169.95,419.4) v2(170.59,59.06) v2(170.59,57.78) v2(170.59,48.9) v2(170.59,43.18) v2(170.59,40) v2(170.59,38.73) v2(170.59,29.84) v2(170.59,24.13) v2(171.22,447.98) v2(171.22,439.09) v2(171.22,437.82) v2(171.22,429.56) v2(171.22,420.67) v2(171.22,419.4) v2(171.86,59.06) v2(171.86,57.78) v2(171.86,48.9) v2(171.86,40) v2(171.86,38.73) v2(171.86,29.84) v2(172.49,447.98) v2(172.49,439.09) v2(172.49,437.82) v2(172.49,435.28) v2(172.49,429.56) v2(172.49,420.67) v2(172.49,419.4) v2(172.58,256.54) v2(172.58,236.22) v2(172.58,210.82) v2(172.58,205.74) v2(172.58,200.66) v2(172.58,195.58) v2(172.58,190.5) v2(172.58,185.42) v2(172.58,180.34) v2(172.58,175.26) v2(172.58,170.18) v2(172.58,139.7) v2(172.58,134.62) v2(172.58,129.54) v2(172.58,124.46) v2(173.13,59.06) v2(173.13,57.78) v2(173.13,48.9) v2(173.13,40) v2(173.13,38.73) v2(173.13,29.84) v2(175.67,447.98) v2(175.67,439.09) v2(175.67,437.82) v2(175.67,30.78) v2(175.67,29.51) v2(175.67,28.24) v2(175.67,26.34) v2(175.67,25.07) v2(175.67,23.8) v2(175.77,435.28) v2(175.77,429.56) v2(175.77,419.66) v2(175.92,40.18) v2(175.92,38.91) v2(175.92,37.64) v2(175.92,35.61) v2(175.92,34.34) v2(175.92,33.07) v2(176.94,447.98) v2(176.94,439.09) v2(176.94,437.82) v2(176.94,30.78) v2(176.94,29.51) v2(176.94,28.24) v2(176.94,26.34) v2(176.94,25.07) v2(176.94,23.8) v2(177.04,429.56) v2(177.04,419.66) v2(177.66,256.54) v2(177.66,236.22) v2(177.66,210.82) v2(178.21,447.98) v2(178.21,439.09) v2(178.21,437.82) v2(178.31,429.56) v2(178.31,419.66) v2(180.47,241.74) v2(182.74,256.54) v2(182.74,236.22) v2(182.74,210.82) v2(183.29,447.98) v2(183.29,439.09) v2(183.29,437.82) v2(183.34,37.01) v2(183.34,34.49) v2(183.39,435.28) v2(184.56,447.98) v2(184.56,439.09) v2(184.56,437.82) v2(185.83,447.98) v2(185.83,439.09) v2(185.83,437.82) v2(187.82,256.54) v2(187.82,236.22) v2(187.82,210.82) v2(189.08,47.76) v2(189.48,241.74) v2(189.64,447.98) v2(189.64,439.09) v2(189.64,437.82) v2(189.74,435.28) v2(190.91,447.98) v2(190.91,439.09) v2(190.91,437.82) v2(191.09,241.74) v2(192.18,447.98) v2(192.18,439.09) v2(192.18,437.82) v2(192.63,20.09) v2(192.9,256.54) v2(192.9,236.22) v2(192.9,210.82) v2(195.99,447.98) v2(195.99,439.09) v2(195.99,437.82) v2(196.09,435.28) v2(197.26,447.98) v2(197.26,439.09) v2(197.26,437.82) v2(197.98,256.54) v2(197.98,236.22) v2(197.98,210.82) v2(198.53,447.98) v2(198.53,439.09) v2(198.53,437.82) v2(200.09,241.74) v2(200.69,424.97) v2(200.69,417.83) v2(201.4,45.34) v2(201.65,241.74) v2(202.16,45.34) v2(203.06,256.54) v2(203.06,236.22) v2(203.06,210.82) v2(203.58,40.5) v2(203.58,39.74) v2(203.58,36.89) v2(208.14,256.54) v2(208.14,236.22) v2(208.14,210.82) v2(209.22,431.58) v2(209.77,57.78) v2(210.29,45.34) v2(210.69,431.58) v2(210.66,241.74) v2(212.16,436.97) v2(212.16,431.58) v2(212.2,76.84) v2(213.08,29.72) v2(213.08,27.5) v2(213.22,251.46) v2(213.22,246.38) v2(213.22,241.3) v2(213.22,236.22) v2(213.22,210.82) v2(213.22,205.74) v2(213.22,200.66) v2(213.22,195.58) v2(214.45,441.63) v2(214.45,439.6) v2(214.67,36.19) v2(214.67,34.93) v2(215.12,31.93) v2(215.12,31.17) v2(215.18,437.87) v2(216.32,437.87) v2(216.51,427.55) v2(217.28,428.68) v2(218.3,251.46) v2(218.3,246.38) v2(218.3,241.3) v2(218.3,236.22) v2(218.3,210.82) v2(218.3,205.74) v2(218.3,200.66) v2(218.3,195.58) v2(218.6,424.87) v2(219.63,445.33) v2(219.97,431.99) v2(219.99,430.58) v2(220.32,428.68) v2(220.57,425.74) v2(221.1,437.95) v2(221.66,445.33) v2(221.65,429.56) v2(222.84,30.84) v2(222.85,46.61) v2(223.38,236.22) v2(223.4,38.22) v2(223.93,50.43) v2(224.18,47.5) v2(224.51,45.59) v2(224.54,44.18) v2(224.87,30.84) v2(225.9,51.31) v2(227.22,47.5) v2(227.99,48.63) v2(228.18,38.3) v2(228.46,236.22) v2(229.32,38.3) v2(229.38,445.01) v2(229.38,444.25) v2(229.83,441.25) v2(229.83,439.98) v2(230.05,36.57) v2(230.05,34.54) v2(231.42,448.68) v2(231.42,446.46) v2(232.34,44.59) v2(232.34,39.2) v2(233.54,236.22) v2(233.81,44.59) v2(233.81,39.2) v2(234.21,430.83) v2(235.29,44.59) v2(235.29,39.2) v2(238.62,236.22) v2(240.93,439.29) v2(240.93,436.43) v2(240.93,435.67) v2(242.34,430.83) v2(243.1,430.83) v2(243.7,236.22) v2(243.85,58.34) v2(243.85,51.21) v2(245.13,31.83) v2(245.33,20.37) v2(246.06,36.4) v2(246.06,33.86) v2(248.78,236.22) v2(251.1,47.76) v2(251.88,456.08) v2(253.86,236.22) v2(254.63,20.09) v2(255.42,428.41) v2(260.45,442.32) v2(260.45,439.78) v2(261.18,455.8) v2(261.38,444.35) v2(262.66,424.97) v2(262.66,417.83) v2(263.41,45.34) v2(264.17,45.34) v2(265.59,40.5) v2(265.59,39.74) v2(265.59,36.89) v2(271.22,431.58) v2(272.3,45.34) v2(272.7,431.58) v2(274.17,436.97) v2(274.17,431.58) v2(275.09,29.72) v2(275.09,27.5) v2(276.46,441.63) v2(276.46,439.6) v2(276.68,36.19) v2(276.68,34.93) v2(277.13,31.93) v2(277.13,31.17) v2(277.19,437.87) v2(278.33,437.87) v2(278.52,427.55) v2(279.29,428.68) v2(280.61,424.87) v2(281.64,445.33) v2(281.97,431.99) v2(282,430.58) v2(282.33,428.68) v2(282.58,425.74) v2(283.11,437.95) v2(283.67,445.33) v2(283.66,429.56) v2(284.86,46.61) v2(284.85,30.84) v2(285.41,38.22) v2(285.94,50.43) v2(286.19,47.5) v2(286.52,45.59) v2(286.55,44.18) v2(286.88,30.84) v2(287.91,51.31) v2(289.23,47.5) v2(290,48.63) v2(290.19,38.3) v2(291.33,38.3) v2(291.39,445.01) v2(291.39,444.25) v2(291.84,441.25) v2(291.84,439.98) v2(292.06,36.57) v2(292.06,34.54) v2(293.43,448.68) v2(293.43,446.46) v2(294.35,44.59) v2(294.35,39.2) v2(295.82,44.59) v2(296.22,430.83) v2(297.3,44.59) v2(302.94,439.29) v2(302.94,436.43) v2(302.94,435.67) v2(304.35,430.83) v2(305.11,430.83) v2(305.83,58.34) v2(305.83,51.21) v2(307.35,40.26) v2(307.35,38.99) v2(307.35,30.1) v2(307.35,24.38) v2(308.62,40.26) v2(308.62,38.99) v2(308.62,30.1) v2(309.89,40.26) v2(309.89,38.99) v2(309.89,30.1) v2(311.66,276.86) v2(311.66,216.86) v2(312.43,40.26) v2(312.43,38.99) v2(312.43,30.1) v2(312.43,24.38) v2(313.7,40.26) v2(313.7,38.99) v2(313.7,30.1) v2(313.89,456.08) v2(314.82,287.02) v2(314.82,281.94) v2(314.82,256.54) v2(314.82,251.46) v2(314.82,246.38) v2(314.82,241.3) v2(314.82,236.22) v2(314.82,231.14) v2(314.82,226.06) v2(314.82,220.98) v2(314.82,195.58) v2(314.82,190.5) v2(314.82,185.42) v2(314.97,40.26) v2(314.97,38.99) v2(314.97,30.1) v2(317.43,428.41) v2(317.41,52.71) v2(317.41,46.35) v2(317.51,40.26) v2(317.51,38.99) v2(317.51,30.1) v2(317.51,24.38) v2(318.68,52.71) v2(318.68,46.35) v2(318.78,40.26) v2(318.78,38.99) v2(318.78,30.1) v2(319.9,287.02) v2(319.9,281.94) v2(319.9,256.54) v2(319.9,251.46) v2(319.9,246.38) v2(319.9,241.3) v2(319.9,236.22) v2(319.9,231.14) v2(319.9,226.06) v2(319.9,220.98) v2(319.9,195.58) v2(319.9,190.5) v2(319.9,185.42) v2(319.95,52.71) v2(319.95,46.35) v2(320.05,40.26) v2(320.05,38.99) v2(320.05,30.1) v2(322.18,57.25) v2(322.18,52.68) v2(322.18,48.11) v2(322.18,43.54) v2(322.59,40.26) v2(322.59,38.99) v2(322.59,30.1) v2(322.59,24.38) v2(323.17,442.95) v2(323.17,440.44) v2(323.86,40.26) v2(323.86,38.99) v2(323.86,30.1) v2(324.92,233.22) v2(324.92,221.79) v2(324.92,210.36) v2(324.92,198.93) v2(324.98,287.02) v2(324.98,281.94) v2(324.98,185.42) v2(325.13,40.26) v2(325.13,38.99) v2(325.13,30.1) v2(325.24,267.51) v2(325.24,256.08) v2(325.24,244.65) v2(325.3,278.94) v2(325.36,57.25) v2(325.36,52.68) v2(325.36,48.11) v2(325.36,43.54) v2(327.67,56.13) v2(327.67,54.86) v2(327.67,45.97) v2(327.67,40.26) v2(327.67,38.99) v2(327.67,30.1) v2(327.67,24.38) v2(328.94,56.13) v2(328.94,54.86) v2(328.94,45.97) v2(328.94,40.26) v2(328.94,38.99) v2(328.94,30.1) v2(329.58,454.28) v2(329.58,453.01) v2(329.58,451.74) v2(329.58,449.2) v2(329.58,447.93) v2(329.58,446.66) v2(330.06,287.02) v2(330.06,281.94) v2(330.06,185.42) v2(330.21,56.13) v2(330.21,54.86) v2(330.21,45.97) v2(330.21,40.26) v2(330.21,38.99) v2(330.21,30.1) v2(330.59,444.37) v2(330.59,443.1) v2(330.59,441.83) v2(330.59,439.8) v2(330.59,438.53) v2(330.59,437.26) v2(330.85,454.28) v2(330.85,453.01) v2(330.85,451.74) v2(330.85,449.2) v2(330.85,447.93) v2(330.85,446.66) v2(332.75,56.13) v2(332.75,54.86) v2(332.75,45.97) v2(332.75,40.26) v2(332.75,38.99) v2(332.75,30.1) v2(332.75,24.38) v2(334.02,446.96) v2(334.02,438.07) v2(334.02,436.8) v2(334.02,428.55) v2(334.02,419.66) v2(334.02,418.39) v2(334.02,56.13) v2(334.02,54.86) v2(334.02,45.97) v2(334.02,40.26) v2(334.02,38.99) v2(334.02,30.1) v2(335.14,287.02) v2(335.14,281.94) v2(335.14,185.42) v2(335.29,446.96) v2(335.29,438.07) v2(335.29,436.8) v2(335.29,428.55) v2(335.29,419.66) v2(335.29,418.39) v2(335.29,56.13) v2(335.29,54.86) v2(335.29,45.97) v2(335.29,40.26) v2(335.29,38.99) v2(335.29,30.1) v2(336.56,452.68) v2(336.56,446.96) v2(336.56,438.07) v2(336.56,436.8) v2(336.56,434.26) v2(336.56,428.55) v2(336.56,419.66) v2(336.56,418.39) v2(336.67,278.94) v2(336.67,267.51) v2(336.67,256.08) v2(336.67,244.65) v2(336.67,233.22) v2(336.67,221.79) v2(336.67,210.36) v2(336.67,198.93) v2(337.64,55.88) v2(337.64,51.31) v2(339.74,446.96) v2(339.74,438.07) v2(339.74,436.8) v2(339.74,428.55) v2(339.74,419.66) v2(339.74,418.39) v2(340.22,287.02) v2(340.22,281.94) v2(340.22,185.42) v2(340.81,55.88) v2(340.81,51.31) v2(341.01,446.96) v2(341.01,438.07) v2(341.01,436.8) v2(341.01,428.55) v2(341.01,419.66) v2(341.01,418.39) v2(342.28,452.68) v2(342.28,446.96) v2(342.28,438.07) v2(342.28,436.8) v2(342.28,434.26) v2(342.28,428.55) v2(342.28,419.66) v2(342.28,418.39) v2(345.17,256.54) v2(345.17,251.46) v2(345.17,246.38) v2(345.17,241.3) v2(345.17,236.22) v2(345.3,195.58) v2(345.3,190.5) v2(345.3,185.42) v2(345.83,446.96) v2(345.83,438.07) v2(345.83,436.8) v2(345.83,428.55) v2(345.83,419.66) v2(345.83,418.39) v2(346.68,59.06) v2(346.68,57.78) v2(346.68,48.9) v2(346.68,43.18) v2(346.68,40) v2(346.68,38.73) v2(346.68,29.84) v2(346.68,24.13) v2(347.1,446.96) v2(347.1,438.07) v2(347.1,436.8) v2(347.1,428.55) v2(347.1,419.66) v2(347.1,418.39) v2(347.95,59.06) v2(347.95,57.78) v2(347.95,48.9) v2(347.95,40) v2(347.95,38.73) v2(347.95,29.84) v2(348.37,446.96) v2(348.37,438.07) v2(348.37,436.8) v2(348.37,434.26) v2(348.37,428.55) v2(348.37,419.66) v2(348.37,418.39) v2(349.22,59.06) v2(349.22,57.78) v2(349.22,48.9) v2(349.22,40) v2(349.22,38.73) v2(349.22,29.84) v2(350.38,256.54) v2(350.38,251.46) v2(350.38,246.38) v2(350.38,241.3) v2(350.38,236.22) v2(350.38,195.58) v2(350.38,190.5) v2(350.38,185.42) v2(351.55,446.96) v2(351.55,438.07) v2(351.55,436.8) v2(351.55,428.55) v2(351.55,419.66) v2(351.55,418.39) v2(351.76,59.06) v2(351.76,57.78) v2(351.76,48.9) v2(351.76,43.18) v2(351.76,40) v2(351.76,38.73) v2(351.76,29.84) v2(351.76,24.13) v2(352.82,446.96) v2(352.82,438.07) v2(352.82,436.8) v2(352.82,428.55) v2(352.82,419.66) v2(352.82,418.39) v2(353.03,59.06) v2(353.03,57.78) v2(353.03,48.9) v2(353.03,40) v2(353.03,38.73) v2(353.03,29.84) v2(354.09,446.96) v2(354.09,438.07) v2(354.09,436.8) v2(354.09,434.26) v2(354.09,428.55) v2(354.09,419.66) v2(354.09,418.39) v2(354.3,59.06) v2(354.3,57.78) v2(354.3,48.9) v2(354.3,40) v2(354.3,38.73) v2(354.3,29.84) v2(355.46,256.54) v2(355.46,251.46) v2(355.46,246.38) v2(355.46,241.3) v2(355.46,236.22) v2(355.46,195.58) v2(355.46,190.5) v2(355.46,185.42) v2(356.63,446.96) v2(356.63,438.07) v2(356.63,436.8) v2(356.73,434.26) v2(356.84,30.78) v2(356.84,29.51) v2(356.84,28.24) v2(356.84,26.34) v2(356.84,25.07) v2(356.84,23.8) v2(357.1,40.18) v2(357.1,38.91) v2(357.1,37.64) v2(357.1,35.61) v2(357.1,34.34) v2(357.1,33.07) v2(357.9,446.96) v2(357.9,438.07) v2(357.9,436.8) v2(358.11,30.78) v2(358.11,29.51) v2(358.11,28.24) v2(358.11,26.34) v2(358.11,25.07) v2(358.11,23.8) v2(359.17,446.96) v2(359.17,438.07) v2(359.17,436.8) v2(360.54,256.54) v2(360.54,251.46) v2(360.54,246.38) v2(360.54,241.3) v2(360.54,236.22) v2(360.54,195.58) v2(360.54,190.5) v2(360.54,185.42) v2(362.34,446.96) v2(362.34,438.07) v2(362.34,436.8) v2(362.44,434.26) v2(362.44,428.55) v2(362.44,418.64) v2(363.61,446.96) v2(363.61,438.07) v2(363.61,436.8) v2(363.71,428.55) v2(363.71,418.64) v2(364.52,37.01) v2(364.52,34.49) v2(364.88,446.96) v2(364.88,438.07) v2(364.88,436.8) v2(364.98,428.55) v2(364.98,418.64) v2(365.62,256.54) v2(365.62,251.46) v2(365.62,246.38) v2(365.62,241.3) v2(365.62,236.22) v2(365.62,195.58) v2(365.62,190.5) v2(365.62,185.42) v2(367.42,446.96) v2(367.42,438.07) v2(367.42,436.8) v2(367.52,434.26) v2(368.69,446.96) v2(368.69,438.07) v2(368.69,436.8) v2(369.96,446.96) v2(369.96,438.07) v2(369.96,436.8) v2(370.7,256.54) v2(370.7,251.46) v2(370.7,246.38) v2(370.7,241.3) v2(370.7,236.22) v2(370.7,195.58) v2(370.7,190.5) v2(370.7,185.42) v2(371.53,47.76) v2(371.72,12.28) v2(371.74,7.7) v2(373.77,446.96) v2(373.77,438.07) v2(373.77,436.8) v2(373.87,434.26) v2(374.26,12.28) v2(374.28,7.7) v2(375.04,446.96) v2(375.04,438.07) v2(375.04,436.8) v2(375.07,20.09) v2(375.78,256.54) v2(375.78,251.46) v2(375.78,246.38) v2(375.78,241.3) v2(375.78,236.22) v2(375.78,195.58) v2(375.78,190.5) v2(375.78,185.42) v2(376.31,446.96) v2(376.31,438.07) v2(376.31,436.8) v2(376.8,12.28) v2(376.82,7.7) v2(378.47,424.97) v2(378.47,417.83) v2(379.34,12.28) v2(379.36,7.7) v2(381.88,12.28) v2(381.9,7.7) v2(383.85,45.34) v2(384.42,12.28) v2(384.44,7.7) v2(384.61,45.34) v2(386.02,40.5) v2(386.02,39.74) v2(386.02,36.89) v2(387,431.58) v2(388.47,431.58) v2(389.95,436.97) v2(389.95,431.58) v2(392.24,441.63) v2(392.24,439.6) v2(392.22,57.78) v2(392.74,45.34) v2(392.96,437.87) v2(394.11,437.87) v2(394.29,427.55) v2(395.06,428.68) v2(395.53,29.72) v2(395.53,27.5) v2(396.39,424.87) v2(397.12,36.19) v2(397.12,34.93) v2(397.42,445.33) v2(397.57,31.93) v2(397.57,31.17) v2(397.75,431.99) v2(397.77,430.58) v2(398.1,428.68) v2(398.36,425.74) v2(398.89,437.95) v2(399.44,429.56) v2(399.45,445.33) v2(405.3,46.61) v2(405.29,30.84) v2(405.85,38.22) v2(406.38,50.43) v2(406.63,47.5) v2(406.96,45.59) v2(406.99,44.18) v2(407.16,445.01) v2(407.16,444.25) v2(407.32,30.84) v2(407.62,441.25) v2(407.62,439.98) v2(408.35,51.31) v2(409.2,448.68) v2(409.2,446.46) v2(409.67,47.5) v2(410.44,48.63) v2(410.63,38.3) v2(411.77,38.3) v2(412,430.83) v2(412.5,36.57) v2(412.5,34.54) v2(414.79,44.59) v2(414.79,39.2) v2(416.26,44.59) v2(417.74,44.59) v2(418.71,439.29) v2(418.71,436.43) v2(418.71,435.67) v2(420.13,430.83) v2(420.89,430.83) v2(426.3,58.34) v2(426.3,51.21) v2(427.58,31.83) v2(427.78,20.37) v2(428.51,36.4) v2(428.51,33.86) v2(429.66,456.08) v2(431.66,287.02) v2(431.66,276.86) v2(431.66,216.86) v2(433.2,428.41) v2(433.54,47.76) v2(436.74,241.3) v2(436.74,236.22) v2(437.08,20.09) v2(438.23,442.32) v2(438.23,439.78) v2(438.52,423.04) v2(438.52,419.76) v2(438.97,455.8) v2(439.17,444.35) v2(441.82,276.86) v2(441.82,266.7) v2(441.82,241.3) v2(441.82,236.22) v2(441.82,205.74) v2(445.86,45.34) v2(446.62,45.34) v2(446.9,266.7) v2(446.9,241.3) v2(446.9,236.22) v2(446.9,231.14) v2(446.9,226.06) v2(446.9,220.98) v2(446.9,215.9) v2(446.9,210.82) v2(446.9,205.74) v2(448.03,40.5) v2(448.03,39.74) v2(448.03,36.89) v2(449.01,431.58) v2(450.48,431.58) v2(451.96,436.97) v2(451.96,431.58) v2(451.98,287.02) v2(451.98,281.94) v2(451.98,276.86) v2(451.98,271.78) v2(451.98,266.7) v2(451.98,241.3) v2(451.98,236.22) v2(451.98,231.14) v2(451.98,226.06) v2(451.98,220.98) v2(451.98,215.9) v2(451.98,210.82) v2(451.98,205.74) v2(454.25,441.63) v2(454.25,439.6) v2(454.75,45.34) v2(454.97,437.87) v2(456.12,437.87) v2(456.3,427.55) v2(457.07,428.68) v2(457.06,241.3) v2(457.06,236.22) v2(457.06,231.14) 